# Altium PCB thrusters.PcbDoc (part 1 of 2)
Units mm, origin at the board's own origin, x right, y up, seen from the top; angles counter-clockwise.
Board outline 109.99 x 135.99 mm, 2 copper layers (Top Layer, Bottom Layer), stack 1.57 mm thick; 102 components, 73 nets, 446 pads, 127 vias.
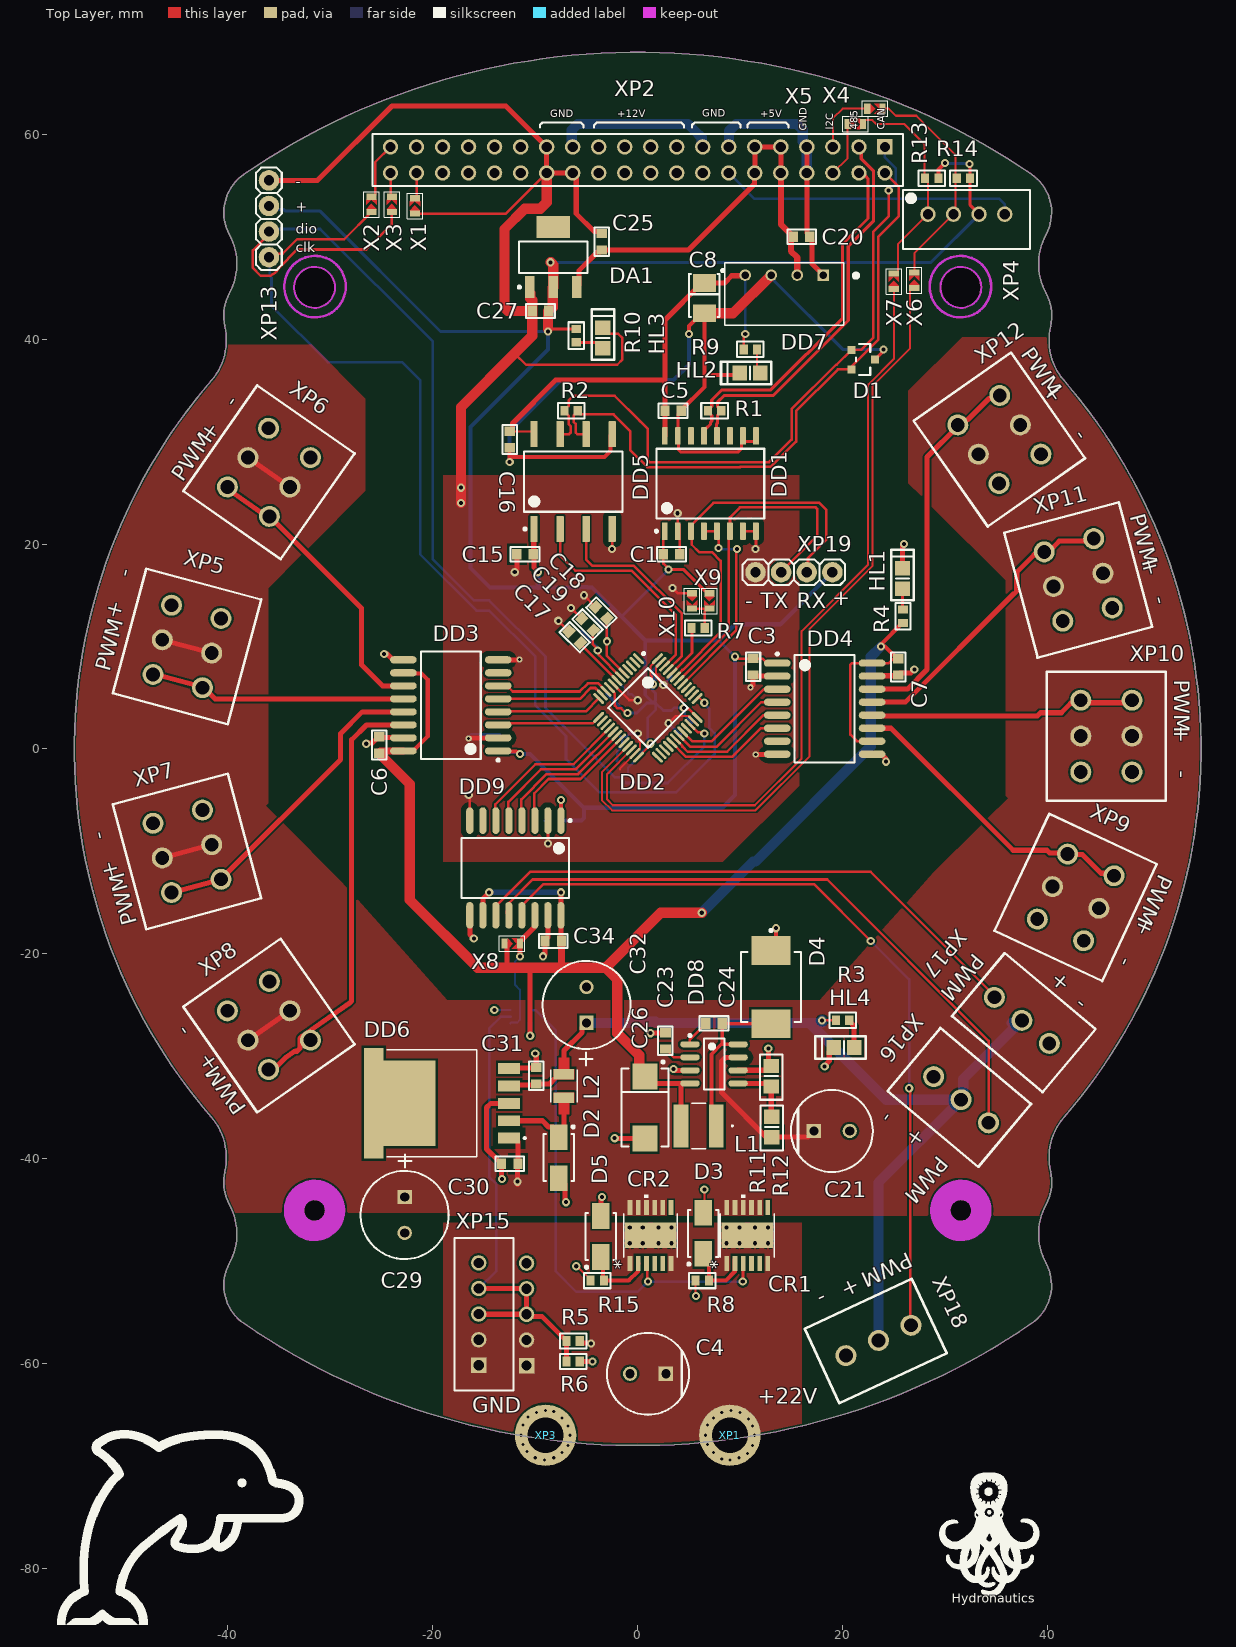
[diagram p0: Top Layer view]
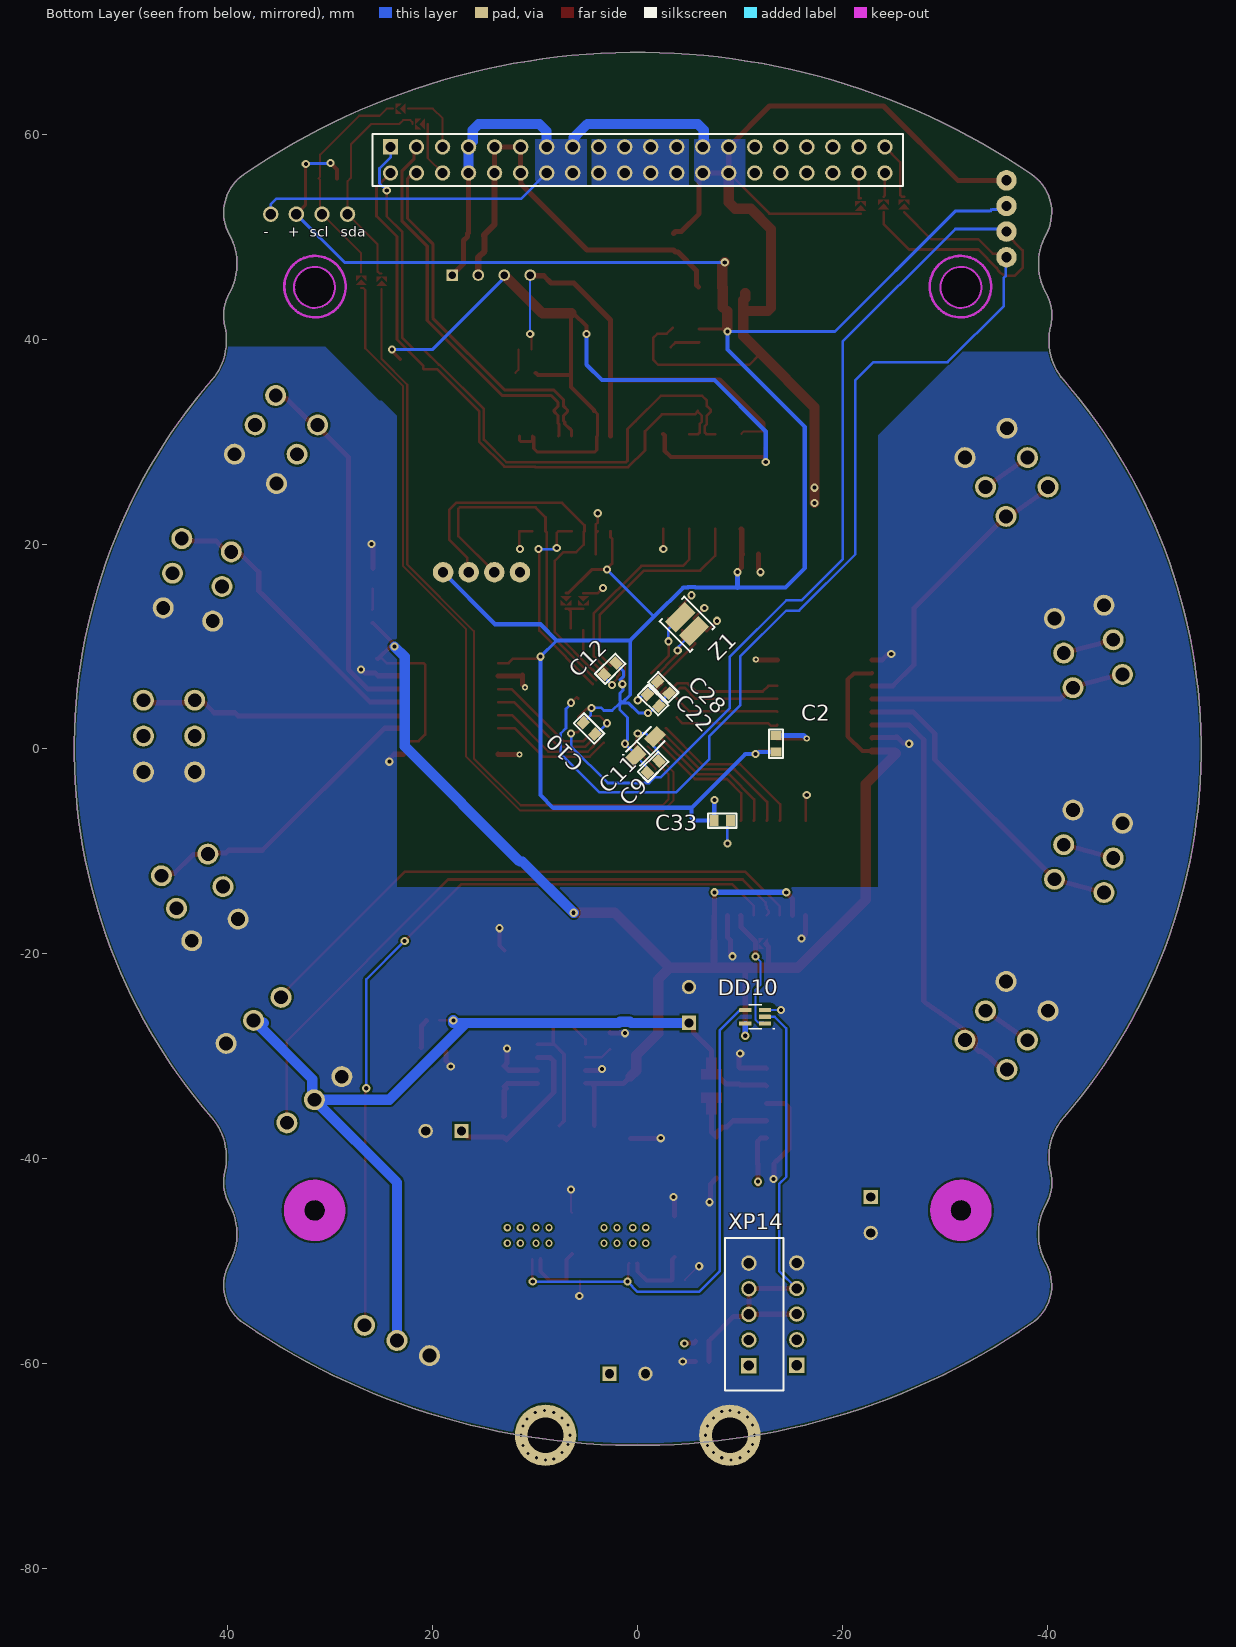
[diagram p1: Bottom Layer view, seen from below]

## Layer stack, top to bottom
Top Solder: solder mask 0.0102, Solder Resist, Dk 3.5
Top Layer: signal copper 0.035
Dielectric 1: dielectric 1.5, FR-4, Dk 4.8
Bottom Layer: signal copper 0.035
Bottom Solder: solder mask 0.0102, Solder Resist, Dk 3.5

## Board outline
-39.876,-44.466 cw(c-35.933,-42.297) -40.313,-41.264 ccw(c-46.153,-39.886) -41.613,-35.963 cw(c0,0) -41.613,35.963 ccw(c-46.153,39.886) -40.313,41.264 cw(c-35.933,42.297) -39.876,44.466 ccw(c-45.134,47.357) -39.862,50.223 cw(c-35.909,52.372) -38.453,56.083 cw(c0,0) 38.453,56.083 cw(c35.909,52.372) 39.862,50.223 ccw(c45.134,47.357) 39.876,44.466 cw(c35.933,42.297) 40.313,41.264 ccw(c46.153,39.886) 41.613,35.963 cw(c0,0) 41.613,-35.963 ccw(c46.153,-39.886) 40.313,-41.264 cw(c35.933,-42.297) 39.876,-44.466 ccw(c45.134,-47.357) 39.862,-50.223 cw(c35.909,-52.372) 38.453,-56.083 cw(c0,0) -38.453,-56.083 cw(c-35.909,-52.372) -39.862,-50.223 ccw(c-45.134,-47.357)

## Design rules (kind name [scope] priority, off if disabled: settings)
Clearance [All] p1: gap=0.2 ignorepadtopadclearanceinfootprint=TRUE
ComponentClearance [All] p1: gap=0 collisioncheckmode=3 verticalgap=0 showdistances=FALSE
DiffPairsRouting [All] p1: maxlimit=0.3 minlimit=0.2 mostfreqgap=0.25 toplayer_minwidth=0.2 toplayer_maxwidth=1 toplayer_prefwidth=0.25 bottomlayer_minwidth=0.2 bottomlayer_maxwidth=1 bottomlayer_prefwidth=0.25 maxuncoupledlength=12.7
HoleSize [All] p1: absolutevalues=TRUE maxlimit=7 minlimit=0.2 maxpercent=80.000 minpercent=20.000
MatchedLengths [InDifferentialPair('RSMOT')] p1: tolerance=25.4 checknetsindiffpair=TRUE checkdiffpairvsdiffpair=FALSE checkxsignals=FALSE checkothers=FALSE
MinimumSolderMaskSliver [All] p1: minsoldermaskwidth=0.2
PlaneConnect [All] p1: planeconnectstyle=Direct reliefexpansion=0.508 reliefentries=4 reliefconductorwidth=0.254 reliefairgap=0.254
PolygonConnect [HasFootprint('PowerSSO-12_STM')] p1: thpad.connectstyle=Relief thpad.reliefconductorwidth=0.254 thpad.reliefentries=4 thpad.polygonreliefangle="90 Angle" thpad.airgapwidth=0.254 smdpad.connectstyle=Direct smdpad.reliefconductorwidth=0.254 smdpad.reliefentries=4 smdpad.polygonreliefangle="90 Angle" smdpad.airgapwidth=0.254 via.connectstyle=Relief via.reliefconductorwidth=0.254 via.reliefentries=4 via.polygonreliefangle="90 Angle" via.airgapwidth=0.254
PolygonConnect PolygonConnectVIA [IsVia] p2: connectstyle=Direct reliefconductorwidth=0.254 reliefentries=4 polygonreliefangle="90 Angle" airgapwidth=0.254
PolygonConnect PolygonConnectPAD [All] p3: thpad.connectstyle=Direct thpad.reliefconductorwidth=0.3 thpad.reliefentries=4 thpad.polygonreliefangle="90 Angle" thpad.airgapwidth=0.5 smdpad.connectstyle=NoConnect smdpad.reliefconductorwidth=0.3 smdpad.reliefentries=4 smdpad.polygonreliefangle="90 Angle" smdpad.airgapwidth=0.5 via.connectstyle=Relief via.reliefconductorwidth=0.3 via.reliefentries=4 via.polygonreliefangle="90 Angle" via.airgapwidth=0.5
RoutingVias [All] p1: holewidth=0.3 width=0.7 viastyle="Through Hole" minholewidth=0.3 minwidth=0.5 maxholewidth=3 maxwidth=4
SilkToSilkClearance [All] p1: silktosilkclearance=0.15
SilkToSolderMaskClearance [IsPad] p1: minsilkscreentomaskgap=-1 clearancetoexposedcopper=TRUE
SolderMaskExpansion [All] p1: expansion=0.1 istentingtop=FALSE
Width power_1 [InNet('No Net')] p1: maxlimit=10 minlimit=0.5 preferedwidth=0.5 minimp=50.000000 maximp=50.000000 favimp=50.000000
Width signal [All] p2: maxlimit=10 minlimit=0.2 preferedwidth=0.25 minimp=50.000000 maximp=50.000000 favimp=50.000000
Width power_signal [InNet('No Net')] p3: maxlimit=10 minlimit=0.3 preferedwidth=0.6 minimp=50.000000 maximp=50.000000 favimp=50.000000
23 further rules are at their usual default settings.

## Classes and differential pairs
component class power: C8 C20 C21 C23 C24 C25 C26 C27 C29 C30 C31 C32 D2 D4 DA1 DD6 DD7 DD8 HL1 HL2 HL3 HL4 L1 L2 R3 R4 R9 R10 R11 R12
component class conn: C4 R13 R14 X1 X2 X3 X4 X5 XP1 XP2 XP3 XP4
component class mcu: 45 C1 C2 C3 C5 C6 C7 C9 C10 C11 C12 C15 C16 C17 C18 C19 C28 C33 C34 CR1 CR2 D1 D3 D5 DD1 DD2 DD3 DD4 DD5 DD9 DD10 R1 R2 R5 R6 R7 R8 R15 X6 X7 X8 X9 X10 XP5 XP6 XP7 XP8 XP9 XP10 XP11 XP12 XP13 XP14 XP15 XP16 XP17 XP18 XP19 Z1
differential pair CAN: +CAN_P -CAN_N
differential pair RSMOT: +RSMOT_P -RSMOT_N

## Components (designator, comment, footprint, x,y, rotation, side; value= is the part's Value field where it differs from the comment)
C1 "Capacitor" 0603C 3.3,19 r0 top value=0,1мкФ
C2 "Capacitor" 0603C -13.5,0.5 r90 bottom value=0,1мкФ
C3 "Capacitor" 0603C 11.263,8.012 r270 top value=0,1мкФ
C4 "100uF" CAPPR65-350-1150X800X1250 1,-61 r180 top value=100мкФ
C5 "Capacitor" 0603C 3.45,33 r0 top value=0,1мкФ
C6 "Capacitor" 0603C -25.225,0.375 r90 top value=0,1мкФ
C7 "Capacitor" 0603C 25.425,8 r270 top value=0,1мкФ
C8 "47мкФ" "TC_B (3528)" 6.5,44 r270 top value={Номинал}
C9 "Capacitor" 0603C -1.5,-1.75 r135 bottom value=0,1мкФ
C10 "Capacitor" 0603C 4.75,2 r225 bottom value=0,1мкФ
C11 "1uF" "TC_A (3216)" -0.75,0.25 r135 bottom value=4.7мкФ
C12 "Capacitor" 0603C 2.684,7.816 r315 bottom value=0,1мкФ
C15 "Capacitor" 0603C -11,19 r180 top value=0,1мкФ
C16 "Capacitor" 0603C -12.5,30.2 r270 top value=0,1мкФ
C17 "Capacitor" 0603C -6.15,10.9 r315 top value=0,1мкФ
C18 "Capacitor" 0603C -3.55,13.3 r315 top value=12пФ
C19 "Capacitor" 0603C -4.9,12.15 r315 top value=12пФ
C20 "Capacitor" 0603C 16,50 r0 top value=0,1мкФ
C21 "100uF" CAPPR65-350-1150X800X1250 18.95,-37.3 r0 top value=68мкФ
C22 "Capacitor" 0603C -1.5,4.75 r225 bottom value=1мкФ
C23 "Capacitor" 0603C 2.7,-28.5 r90 top value=0,1мкФ
C24 "Capacitor" 0603C 7.45,-26.8 r0 top value=0,1мкФ
C25 "Capacitor" 0603C -3.5,49.5 r90 top value=0,1мкФ
C26 "68мкФ" "TC_D (7343)" 0.7,-35 r270 top value={Номинал}
C27 "Capacitor" 0603C -9.5,42.75 r180 top value=10,0мкФ
C28 "Capacitor" 0603C -2.5,6 r225 bottom value=10нФ
C29 "1uF" THD12.5.25 -22.75,-45.5 r270 top value=100мкФ
C30 "Capacitor" 0603C -12.5,-40.5 r180 top value=0,1мкФ
C31 "Capacitor" 0603C -9.9,-31.9 r90 top value=0,1мкФ
C32 "1uF" THD12.5.25 -5,-25 r90 top value=1000мкФ
C33 "Capacitor" 0603C -8.25,-7 r180 bottom value=0,1мкФ
C34 "Capacitor" 0603C -8.25,-18.75 r180 top value=0,1мкФ
CR1 "VN5016AJ-E" PowerSSO-12_STM 10.7,-47.5 r90 top
CR2 "VN5016AJ-E" PowerSSO-12_STM 1.25,-47.5 r90 top
D1 "SM712-02HTG" FP-SM712-MFG 22,38 r0 top
D2 "B340A" DIOM4326X23M -7.7,-39.9 r270 top
D3 "Diod_1" DIOM4326X23M 6.4,-47.3 r90 top value={Номинал}
D4 "MBRS540T3G" ONSC-SMC-2-403-03_V 13,-23.25 r270 top
D5 "Diod_1" DIOM4326X23M -3.6,-47.6 r90 top value={Номинал}
DA1 "LD1117S33" SOT223 -8.25,48 r90 top value=LD1117S33CTR
DD1 "ISO3082DW" DW0016B_L 7.1,25.9 r90 top
DD2 "STM32F103" LQFP48 1,4 r315 top
DD3 "ADUM1400ARWZ" ADI-RW-16_M -18.25,4.25 r180 top
DD4 "ADUM1400ARWZ" ADI-RW-16_M 18.25,3.925 r0 top
DD5 "ISO1050DUBR" DUB0008A_M -6.3,26.1 r90 top
DD6 "LM2596HVGR-12" VREG_LM2596S-3.3 -19.1,-34.6 r180 top
DD7 "SMU01M-05" "DC-DC 5-5" 14.3,43.7 r0 top
DD8 "MAX5035BASA" S8+5_L 7.45,-30.75 r0 top
DD9 "ADUM1400ARWZ" ADI-RW-16_M -11.945,-11.625 r270 top
DD10 "SN74AHC1G08DCKR" SOT65P210X110-5N -11.46,-26.15 r0 bottom
HL1 "=Value" 0805D 25.75,16.525 r90 top
HL2 "=Value" 0805D 11.05,36.6 r180 top
HL3 "=Value" 0805D -3.5,40 r90 top
HL4 "=Value" 0805D 20.25,-29.25 r180 top
Hydronautics "Comment" Ktulhu 34.25,-72.5 r0 top
L1 "Inductance" IND_VLS4012CX_4X4_TDK 5.95,-36.8 r180 top value=100µH
L2 "Inductance" IND_LQH32CN680K53L -7.2,-32.9 r90 top value=68uH
R1 "Resistor" 0603R 7.5,33 r0 top value=120Ом
R2 "Resistor" 0603R -6.5,33 r0 top value=120Ом
R3 "Resistor" 0603R 20,-26.5 r0 top value=4,7кОм
R4 "Resistor" 0603R 25.9,12.95 r90 top value=4,7кОм
R5 "Resistor" 0603R -6.3,-57.8 r0 top value=10кОм
R6 "Resistor" 0603R -6.3,-59.8 r180 top value=20кОм
R7 "Resistor" 0603R 5.9,11.8 r0 top value=100к
R8 "Resistor" 0603R 6.3,-51.9 r0 top value=1кОм
R9 "Resistor" 0603R 11,39 r0 top value=4,7кОм
R10 "Resistor" 0603R -6,40.35 r270 top value=4,7кОм
R11 "Resistor" 0805R 13.2,-36.8 r270 top value=10к
R12 "Resistor" 0805R 13.13,-31.85 r270 top value=4КОм
R13 "Resistor" 0603R 31.8,55.7 r180 top value=4,7кОм
R14 "Resistor" 0603R 28.7,55.7 r180 top value=4,7кОм
R15 "Resistor" 0603R -3.95,-51.9 r0 top value=1кОм
X1 "Jumper" "Fused Jumper" -21.75,52.35 r90 top
X2 "Jumper" "Fused Jumper" -26,52.5 r90 top
X3 "Jumper" "Fused Jumper" -24,52.5 r90 top
X4 "Jumper" "Fused Jumper" 22.5,62.5 r0 top
X5 "Jumper" "Fused Jumper" 20.6,61 r0 top
X6 "Jumper" "Fused Jumper" 27,45.1 r90 top
X7 "Jumper" "Fused Jumper" 25,45 r90 top
X8 "Jumper" "Fused Jumper" -12.9,-19 r0 top
X9 "Jumper" "Fused Jumper" 7,15.1 r270 top
X10 "Jumper" "Fused Jumper" 5.3,15.1 r270 top
XP1 "номинал или название" M3 9,-67 r0 top
XP2 "PC104-20*2" "PC - 104 20X2" 0,57.495 r180 top locked
XP3 "номинал или название" M3 -9,-67 r180 top
XP4 "CWF-4" CWF-4 28.325,52.2 r0 top
XP5 "SPTAF 1/ 3-3,5-IL" STAFFFFFF -44,10 r255 top
XP6 "SPTAF 1/ 3-3,5-IL" STAFFFFFF -36,27 r235 top
XP7 "SPTAF 1/ 3-3,5-IL" STAFFFFFF -44,-10 r285 top
XP8 "SPTAF 1/ 3-3,5-IL" STAFFFFFF -36,-27 r305 top
XP9 "SPTAF 1/ 3-3,5-IL" STAFFFFFF 42.75,-14.5 r65 top
XP10 "SPTAF 1/ 3-3,5-IL" STAFFFFFF 45.75,1.25 r90 top
XP11 "SPTAF 1/ 3-3,5-IL" STAFFFFFF 43,16.5 r105 top
XP12 "SPTAF 1/ 3-3,5-IL" STAFFFFFF 35.3,30.2 r125 top
XP13 "PLS4" PLS4 -36,55.58 r0 top
XP14 "CWF-5" CWF-5 -10.85,-60.2 r90 bottom
XP15 "CWF-5" CWF-5 -15.525,-60.175 r90 top
XP16 "Term" term3pos 31.569,-34.25 r320 top value="Terminal Block"
XP17 "Term" term3pos 37.5,-26.5 r140 top value="Terminal Block"
XP18 "Term" term3pos 23.5,-57.75 r25 top value="Terminal Block"
XP19 "PLS4" PLS4 19.08,17.25 r270 top
Z1 "XTAL" NX3225GD -4.828,12.172 r45 bottom value=8МГц

## Footprints (in the part's own frame and the unit in brackets; to place one, negate y for a bottom-side part, rotate by r counter-clockwise, add the part's x,y. Pads: shape width x height; smd on the part's side, far side on the other; paste and mask are expansions set on the pad)
0603C [mm] "Chip Resistor, 2-Leads, Body 1,40x0,80mm, IPC Medium Density"
  rect 0.9x1.05 smd: 1(-0.8,0) 2(0.8,0)
  silkscreen extent -1.4,-0.7 1.4,0.7, body extent -0.85,-0.45 0.85,0.45, height 0.9
0603R [mm] "Chip Resistor, 2-Leads, Body 1.60x0.85mm, IPC Medium Density"
  rect 0.8x0.95 smd: 1(-0.65,0) 2(0.65,0)
  silkscreen extent -1.3,-0.75 1.3,0.75, body extent -0.87,-0.47 0.88,0.48, height 0.9
0805D [mm]
  rect 1.4x1.5 smd: 1(-0.9,-0.1) 2(1.1,-0.1)
  silkscreen extent -2,-1.2 2.93,1, body extent -0.97,-0.8 1.17,0.6, height 0.7
0805R [mm]
  rect 1.4x1.5 smd: 1(-0.9,-0.1) 2(1.1,-0.1)
  silkscreen extent -2,-1.2 2.4,1, body extent -0.9,-0.7 1.1,0.5, height 0.5
ADI-RW-16_M [mm] "SOIC, 16-Leads, Body 10.3x7.5mm, Pitch 1.27mm, IPC Low Density"
  oval 2.6x0.7 smd: 1(-4.625,4.445) 2(-4.625,3.175) 3(-4.625,1.905) 4(-4.625,0.635) 5(-4.625,-0.635) 6(-4.625,-1.905) 7(-4.625,-3.175) 8(-4.625,-4.445) 9(4.625,-4.445) 10(4.625,-3.175) 11(4.625,-1.905) 12(4.625,-0.635) 13(4.625,0.635) 14(4.625,1.905) 15(4.625,3.175) 16(4.625,4.445)
  silkscreen extent -4.75,-5.25 2.93,5.47, body extent -3.8,-5.25 3.8,5.25, height 2.65
CAPPR65-350-1150X800X1250 [mm] "THD, 2-Leads, Dia 8mm, Body 11.5mm"
  rect 1.4x1.4 hole 0.9: 1(-1.75,0)
  round 1.4 hole 0.9: 2(1.75,0)
  silkscreen extent -4,-4 4,4, body extent -4,-4 4,4, height 12.5
CWF-4 [mm]
  round 1.5 hole 1: 1(0,0) 2(2.5,0) 3(5,0) 4(7.5,0)
  silkscreen extent -2.45,-3.4 9.95,2.35, body extent -2.4,-3.47 10,2.28, height 7
CWF-5 [mm]
  rect 1.5x1.5 hole 1: 1(0,0)
  round 1.5 hole 1: 2(2.5,0) 3(5,0) 4(7.5,0) 5(10,0)
  silkscreen extent -2.45,-3.4 12.45,2.35, body extent -2.5,-3.55 12.5,2.2, height 7
"DC-DC 5-5" [mm]
  rect 1.13x1.13 hole 0.73: 1(3.81,2.55)
  round 1.13 hole 0.73: 2(1.27,2.55) 3(-1.27,2.55) 4(-3.81,2.55)
  silkscreen extent -5.8,-2.35 7.2,3.75, body extent -5.85,-2.35 5.75,3.75, height 10.14
DIOM4326X23M [mm] "Molded Diode, 2-Leads, Body 4,30x2,61mm, IPC Low Density"
  rect 2.5x1.7 smd: 1(-2,0) 2(2,0)
  silkscreen extent -3.12,-1.5 2.3,1.53, body extent -2.3,-1.46 2.3,1.46, height 2.3
DUB0008A_M [mm] "SOP, 8-Leads, Body 6.7x9.6mm, Pitch 2.54mm, IPC Low Density"
  rrect14% 2.55x0.7 smd: 1(-4.625,3.81) 2(-4.625,1.27) 3(-4.625,-1.27) 4(-4.625,-3.81) 5(4.625,-3.81) 6(4.625,-1.27) 7(4.625,1.27) 8(4.625,3.81)
  silkscreen extent -4.75,-4.8 2.95,4.83, body extent -5.24,-4.75 5.24,4.75, height 4.85
DW0016B_L [mm] "SOIC, 16-Leads, Body 10.5x7.6mm, Pitch 1.27mm, IPC High Density"
  rrect18% 1.7x0.55 smd: 1(-4.65,4.445) 2(-4.65,3.175) 3(-4.65,1.905) 4(-4.65,0.635) 5(-4.65,-0.635) 6(-4.65,-1.905) 7(-4.65,-3.175) 8(-4.65,-4.445) 9(4.65,-4.445) 10(4.65,-3.175) 11(4.65,-1.905) 12(4.65,-0.635) 13(4.65,0.635) 14(4.65,1.905) 15(4.65,3.175) 16(4.65,4.445)
  silkscreen extent -4.77,-5.25 3.4,5.39, body extent -5.17,-5.15 5.17,5.15, height 2.59
FP-SM712-MFG [mm]
  rect 0.78x0.78 smd paste+0 mask+0: 1(-1.145,0.95) 2(-1.145,-0.95) 3(1.145,0)
  silkscreen extent -0.7,-1.52 0.7,1.52, body extent -1.64,-1.62 1.64,1.62, height 0.25
"Fused Jumper" [mm] "Solder fused jumper"
  rect 0.6x1 smd: 1(-0.1,0) 2(1.4,0)
  Top Layer region: 0.2,0.5 0.7,0 0.2,-0.5
  Top Layer region: 1.1,-0.5 0.6,-0.5 1.1,0
  Top Layer region: 1.1,0 0.6,0.5 1.1,0.5
  silkscreen extent -0.61,-0.75 1.89,0.75
IND_LQH32CN680K53L [mm]
  rect 1x2 smd paste-2 mask+0: 1(-1.15,0) 2(1.15,0)
  Top Layer region: -0.65,-1 -1.65,-1 -1.65,-0.5 -2.75,-0.5 -2.75,0.5 -1.65,0.5 -1.65,1 -0.65,1
  Top Layer region: 1.65,0.5 2.75,0.5 2.75,-0.5 1.65,-0.5 1.65,-1 0.65,-1 0.65,1 1.65,1
  silkscreen extent -1.6,-1.31 1.6,1.31
IND_VLS4012CX_4X4_TDK [mil]
  rect 56.78x165 smd paste+0 mask+0: 1(-67.89,0) 2(67.89,0)
  silkscreen extent -132,-88 27,88, body extent -83,-83 83,83, height 47
Ktulhu [mm]
  silkscreen extent -4.8,-10.16 4.93,1.83
LQFP48 [mm] "TSQFP, 48-Leads, Body 7,00x7,00mm, Pitch 0,50mm, IPC Medium Density"
  oval 1.4x0.29 smd: 1(-4.05,2.75) 2(-4.05,2.25) 3(-4.05,1.75) 4(-4.05,1.25) 5(-4.05,0.75) 6(-4.05,0.25) 7(-4.05,-0.25) 8(-4.05,-0.75) 9(-4.05,-1.25) 10(-4.05,-1.75) 11(-4.05,-2.25) 12(-4.05,-2.75)
  oval 0.29x1.4 smd paste+0 mask+0.09: 13(-2.75,-4.05) 14(-2.25,-4.05) 15(-1.75,-4.05) 16(-1.25,-4.05) 17(-0.75,-4.05) 18(-0.25,-4.05) 19(0.25,-4.05) 20(0.75,-4.05) 21(1.25,-4.05) 22(1.75,-4.05) 23(2.25,-4.05) 24(2.75,-4.05) 37(2.75,4.05) 38(2.25,4.05) 39(1.75,4.05) 40(1.25,4.05) 41(0.75,4.05) 42(0.25,4.05) 43(-0.25,4.05) 44(-0.75,4.05) 45(-1.25,4.05) 46(-1.75,4.05) 47(-2.25,4.05) 48(-2.75,4.05)
  oval 1.4x0.29 smd paste+0 mask+0.09: 25(4.05,-2.75) 26(4.05,-2.25) 27(4.05,-1.75) 28(4.05,-1.25) 29(4.05,-0.75) 30(4.05,-0.25) 31(4.05,0.25) 32(4.05,0.75) 33(4.05,1.25) 34(4.05,1.75) 35(4.05,2.25) 36(4.05,2.75)
  silkscreen extent -4.17,-2.75 2.75,3.57, body extent -4.5,-4.47 4.5,4.52, height 1.48
M3 [mm]
  round 6 hole 3.5: 1(0,0)
  body extent -2.7,-3.18 2.8,3.18, height 2.5
NX3225GD [mm]
  rect 1.5x2.7 smd: 1(-0.95,0) 2(0.95,0)
  silkscreen extent -2.1,-1.7 2.1,1.7
ONSC-SMC-2-403-03_V [mil] "Molded, 2-Leads, Body 6.86x5.84mm"
  rect 110x150 smd: 1(-140.49,0) 2(140.49,0)
  silkscreen extent -222,-115 135,115, body extent -135,-115 135,115, height 99
"PC - 104 20X2" [mm] "Connector; Header; 20x2 Position"
  rect 1.5x1.5 hole 1: 1(-24.13,-1.27)
  round 1.5 hole 1: 2(-24.13,1.27) 3(-21.59,-1.27) 4(-21.59,1.27) 5(-19.05,-1.27) 6(-19.05,1.27) 7(-16.51,-1.27) 8(-16.51,1.27) 9(-13.97,-1.27) 10(-13.97,1.27) 11(-11.43,-1.27) 12(-11.43,1.27) 13(-8.89,-1.27) 14(-8.89,1.27) 15(-6.35,-1.27) 16(-6.35,1.27) 17(-3.81,-1.27) 18(-3.81,1.27) 19(-1.27,-1.27) 20(-1.27,1.27) 21(1.27,-1.27) 22(1.27,1.27) 23(3.81,-1.27) 24(3.81,1.27) 25(6.35,-1.27) 26(6.35,1.27) 27(8.89,-1.27) 28(8.89,1.27) 29(11.43,-1.27) 30(11.43,1.27) 31(13.97,-1.27) 32(13.97,1.27) 33(16.51,-1.27) 34(16.51,1.27) 35(19.05,-1.27) 36(19.05,1.27) 37(21.59,-1.27) 38(21.59,1.27) 39(24.13,-1.27) 40(24.13,1.27)
  silkscreen extent -25.91,-2.54 25.91,2.54, body extent -25.88,-2.47 25.92,2.43, height 12.5
PLS4 [mm]
  round 2 hole 1: 1(0,-0.08) 2(0,-2.58) 3(0,-5.08) 4(0,-7.58)
  silkscreen extent -1.25,-8.83 1.25,1.17, body extent -1.27,-8.93 1.27,1.19, height 8.44
PowerSSO-12_STM [mm]
  rect 1.455x0.456 smd paste+0 mask+0: 1(-2.721,2) 2(-2.721,1.2) 3(-2.721,0.4) 4(-2.721,-0.4) 5(-2.721,-1.2) 6(-2.721,-2) 7(2.721,-2) 8(2.721,-1.2) 9(2.721,-0.4) 10(2.721,0.4) 11(2.721,1.2) 12(2.721,2)
  rect 2.489x5 smd paste-2.083 mask+0: EPAD(0,0)
  silkscreen extent -2.12,-2.63 3.96,2.63, body extent -3.1,-2.5 3.1,2.5, height 1.63
S8+5_L [mm] "SOIC, 8-Leads, Body 4.9x3.9mm, Pitch 1.27mm, IPC High Density"
  oval 1.9x0.6 smd: 1(-2.35,1.905) 2(-2.35,0.635) 3(-2.35,-0.635) 4(-2.35,-1.905) 5(2.35,-1.905) 6(2.35,-0.635) 7(2.35,0.635) 8(2.35,1.905)
  silkscreen extent -2.47,-2.5 1,2.88, body extent -2,-2.5 2,2.5, height 1.75
SOT65P210X110-5N [mm]
  rrect25% 1.19x0.4 smd: 1(-0.96,0.65) 2(-0.96,0) 3(-0.96,-0.65) 4(0.96,-0.65) 5(0.96,0.65)
  silkscreen extent -1.87,-1.17 0.63,1.22, body extent -1.18,-1 0.92,1, height 1.1
SOT223 [mm] "SOT223, ld1117"
  rect 2.15x0.9 smd: 1(-2.925,2.3) 2(-2.925,0) 3(-2.925,-2.3)
  rect 2.15x3.25 smd: 4(2.925,0)
  silkscreen extent -3.05,-3.35 1.55,3.42, body extent -3.56,-3.3 3.51,3.2, height 1.6
STAFFFFFF [mm]
  round 2.05 hole 1.35: 1(-3.5,-2.5) 1(-3.5,2.5) 1(-3.5,2.5) 2(0,2.5) 2(0,-2.5) 3(3.5,-2.5) 3(3.5,2.5)
  silkscreen extent -6.3,-5.8 6.3,5.8, body extent -6,-5.5 6,5.5, height 8
"TC_A (3216)" [mm] "Tantalum capacitor, type A,  1 pin - plus"
  rect 1.75x1.25 smd: 1(-1.325,0) 2(1.325,0)
  silkscreen extent -2.15,-0.97 1.7,1, body extent -1.73,-0.8 1.73,0.8, height 1.64
"TC_B (3528)" [mm] "Tantalum capacitor, type B, 1 pin - plus"
  rect 1.75x2.25 smd: 1(-1.475,0) 2(1.475,0)
  silkscreen extent -2.82,-1.5 1.85,1.92, body extent -1.85,-1.5 1.85,1.5, height 2.1
"TC_D (7343)" [mm] "Tantalum capacitor, type D, 1 pin - plus"
  rect 2.55x2.45 smd: 1(-3.025,0) 2(3.025,0)
  silkscreen extent -4.57,-2.3 3.8,2.3, body extent -3.75,-2.25 3.75,2.25, height 3.1
term3pos [mm]
  round 2.05 hole 1.35: 1(-3.5,0) 2(0,0) 3(3.5,0)
  silkscreen extent -6.05,-3.95 5.5,4.08, body extent -5.68,-3.7 5.28,3.7, height 8.5
THD12.5.25 [mm] "THD, 2-Leads, Dia 12.5mm, Body 25mm"
  rect 1.4x1.4 hole 0.9: 1(-1.75,0)
  round 1.4 hole 0.9: 2(1.75,0)
  silkscreen extent -5.89,-4.3 4.3,4.3
VREG_LM2596S-3.3 [mm]
  rect 2.16x1.07 smd: 1(-6.545,3.4) 2(-6.545,1.7) 3(-6.545,0) 4(-6.545,-1.7) 5(-6.545,-3.4)
  rect 5.08x8.33 smd paste-5: 6(3.175,0)
  rect 1.91x10.8 smd paste-6: 7(6.67,0)
  silkscreen extent -8.18,-5.21 5.4,5.21, body extent -7.18,-5.08 7.18,5.08, height 4.65

## Part data
C4 C21: library part Capacitor_pol_100uF
  C4: Shop=https://www.chipdip.ru/product0/9000565887
  C21: Parameter 1=50В, Shop=https://www.chipdip.ru/product0/9000565885
C8 C11 C26 C29 C32: library part Capacitor_pol
  C8 C26: Shop=https://www.chipdip.ru/product/tecap-68-mkf-10-v-tip-d-10-2
  C29: Rate=35В, Shop=https://www.chipdip.ru/product0/9000261772
  C32: Rate=16V, Shop=https://www.chipdip.ru/product0/8007171953
CR1 CR2: "No Description Available", Mfr_Name=STMicroelectronics, Copyright="Copyright (C) 2022 Ultra Librarian. All rights reserved.", Manufacturer_Part_Number=VN5016AJ-E, RefDes=RefDes, Type=DEV
D1: "TVS DIODE 12V 31V SOT23-3", Breakdown Voltage=13.3V, Capacitance=75pF, Case/Package=SOT-23-3, Clamping Voltage=31V, Leakage Current=20uA, Max Operating Temperature=125°C, Max Power Dissipation=600W, Max Surge Current=19A, Min Operating Temperature=-40°C, Package Quantity=3000, Power Line Protection=No, Reverse Standoff Voltage=12V, Composition=Zener, Depth=1.4mm, Direction=Bidirectional, Element Configuration=Dual, Lead Free="Lead Free", Length=3.04mm, Min Breakdown Voltage=13.3V, Mount="Surface Mount", Number of Bidirectional Channels=2, Number of Channels=2, Number of Pins=3, Packaging="Tape and Reel", Peak Pulse Current=19A, Peak Pulse Power=600W, Polarity=Bidirectional, Radiation Hardening=No, Termination=SMD/SMT, Working Voltage=12V
D2: library part CMP-1055-00390-1, "Schottky Power Rectifier, 2-Pin SMC, Pb-Free, Tape and Reel", Manufacturer="On Semiconductor", PartNumber=MBRS540T3G, ComponentLink1Description="Manufacturer URL", ComponentLink1URL=http://www.onsemi.com/, ComponentLink2Description=Datasheet, ComponentLink2URL=http://www.onsemi.cn/pub_link/Collateral/MBRS540T3-D.PDF, ComponentLink3Description="Package Specification", ComponentLink3URL=http://www.onsemi.com/pub_link/Collateral/403-03.PDF, DatasheetVersion="Rev. 8", IFSM Max (A)=190, Mounting Technology="Surface Mount", PackageDescription="2-Pin Small Molded Package, J-Bend Lead, Body 5.845 x 6.855 mm", PackageReference=SMC-2-403-03, PackageVersion="Rev. E, 08/2005", Packing="Tape and Reel", RoHS=TRUE, Shop=https://www.chipdip.ru/product/b340a
D4: library part CMP-1055-00390-1, "Schottky Power Rectifier, 2-Pin SMC, Pb-Free, Tape and Reel", Manufacturer="On Semiconductor", ComponentLink1Description="Manufacturer URL", ComponentLink1URL=http://www.onsemi.com/, ComponentLink2Description=Datasheet, ComponentLink2URL=http://www.onsemi.cn/pub_link/Collateral/MBRS540T3-D.PDF, ComponentLink3Description="Package Specification", ComponentLink3URL=http://www.onsemi.com/pub_link/Collateral/403-03.PDF, Configuration=Single, DatasheetVersion="Rev. 8", IFSM Max (A)=190, Mounting Technology="Surface Mount", PackageDescription="2-Pin Small Molded Package, J-Bend Lead, Body 5.845 x 6.855 mm", PackageReference=SMC-2-403-03, PackageVersion="Rev. E, 08/2005", Packing="Tape and Reel", PartNumber=MBRS540T3G, RoHS=TRUE
DA1: Case=SOT223, Manufacturer="ST Microelectronics", Datasheet=https://lib.chipdip.ru/168/DOC001168686.pdf, Notice="Стабилизатор напряжения 3,3В", Rate=0...15В, Shop=https://www.chipdip.ru/product/ld1117v33
DD1: library part ISO3082, "Isolated RS-485 Transceiver, 0.2 Mbps, 5 V, Half Duplex, -40 to 85 degC, 16-pin SOIC (DW), Green (RoHS & no Sb/Br)", Drivers Per Package=1, Manufacturer="Texas Instruments", Rating=Catalog, Supply Voltage(s)(V)=5, # of TX/RX="1 TX / 1 RX", Code_JEDEC=MS-013-AA, Common Mode Range="-7 to 12", ComponentLink1Description=Datasheet, ComponentLink1URL=http://www.ti.com/general/docs/lit/getliterature.tsp?genericPartNumber=ISO3082&fileType=pdf, ComponentLink2Description="Package Specification", ComponentLink2URL=http://www.ti.com/litv/pdf/msoi003g, DatasheetVersion=SLOS581E, Duplex=Half, Eco-Plan="Green (RoHS & no Sb/Br)", ESD(kV)=16, Fail Safe="Idle, Open, Short", Fault Protection(V)="-9 to 14", ICC(Max)(mA)=15, Isolated=Yes, Mounting Technology="Surface Mount", Number of Nodes=256, PackageDescription="16-Pin Small Outline Integrated Circuit, 10.3 x 7.5 mm, Pitch 1.27 mm Pitch", PackageReference=DW0016B, PackageVersion="revG, Jan-2011", PartNumber=ISO3082DW, Receivers Per Package=1, Signaling Rate(Mbps)=0.2, SubFamily=RS-485
DD2: library part STM32F103_48pin, Case=корпус, Manufacturer="ST Microelectronics", Value1=MCU, Datasheet=http://www.st.com/content/ccc/resource/technical/document/datasheet/33/d4/6f/1d/df/0b/4c/6d/CD00161566.pdf/files/CD00161566.pdf/jcr:content/translations/en.CD00161566.pdf, Notice="48 пиновая версия STM32F103", Rate=-0,3...4,0В, Shop="магазин с самой дешевой ценой"
DD3 DD4 DD9: library part ADUM1400ARWZ-RL, "Четырехканальный цифровой изолятор", Shop=https://www.chipdip.ru/product/adum1400arwz
DD5: "Isolated CAN Transceiver, -55 to 105 degC, 8-pin SOP (DUB), Green (RoHS & no Sb/Br)", Drivers Per Package=1, Manufacturer="Texas Instruments", Rating=Catalog, ComponentLink1Description=Datasheet, ComponentLink1URL=http://www.ti.com/general/docs/lit/getliterature.tsp?genericPartNumber=ISO1050&fileType=pdf, ComponentLink2Description="Package Specification", ComponentLink2URL=http://www.ti.com/litv/pdf/mpds247b, DatasheetVersion=SLLS983E, Eco-Plan="Green (RoHS & no Sb/Br)", Isolated=Yes, Mounting Technology="Surface Mount", PackageDescription="8-Pin Small Outline Package 2.54 mm Pitch", PackageReference=DUB0008A, PackageVersion="revC, May-2006", PartNumber=ISO1050DUBR, SubFamily=CAN
DD6: Package="TO-263-5 Texas Instruments", Availability="In Stock", MF="Texas Instruments", MP=LM2596S-3.3, Price=None, Purchase-URL=https://pricing.snapeda.com/search/part/LM2596S-3.3/?ref=eda, Shop=https://www.chipdip.ru/product/lm2596hvgr-12, SnapEDA_Link=https://www.snapeda.com/parts/LM2596S-3.3/Texas+Instruments/view-part/?ref=snap
DD7: library part SMU01L-05, "DC/DC преобразователь, 1Вт, вход 4.5-5.5В, выход 5В/200мА", Package=None, Availability=Unavailable, MP=TME_1212S, Price=None
DD8: library part MAX5035BASA+T, "1A, 76V, High-Efficiency MAXPower Step-Down DC-DC Converter, 5V output, 8-Pin SOIC, -40°C to +125°C, Pb-Free", Code_IPC=SOIC127P600-8, Code_JEDEC=MS-012-AA, ComponentLink1Description="Manufacturer URL", ComponentLink1URL=http://www.maxim-ic.com, ComponentLink2Description=Datasheet, ComponentLink2URL=http://datasheets.maxim-ic.com/en/ds/MAX5035.pdf, ComponentLink3Description="Package Specification", ComponentLink3URL=http://pdfserv.maxim-ic.com/package_dwgs/21-0041.PDF, DatasheetVersion="Rev 5, May-2011", PackageDescription="8-Pin Small-Outline IC, Narrow (0.15in), 1.27 mm Pitch, SOIC (N), Pb-Free", PackageReference=S8+5, PackageVersion="revC, 2010"
DD10: "Single 2-Input Positive-AND Gate 5-SC70 -55 to 125", Package=None, Availability=Unavailable, MP=SN74AHC1G08DCKR, Price=None, Shop=https://www.chipdip.ru/product/sn74lvc1g08dckr
HL1 HL2 HL3 HL4: library part LED, Case=-, Color={Цвет}, Datasheet=-, Manufacturer=-, Notice=-, Rate=-, Shop=-
X1 X2 X3 X4 X5 X6 X7 X8 X9 X10: Case=корпус, Manufacturer=производитель, Datasheet="ссылка на даташит", Notice=перемычка, Rate="уровень напряжений", Shop="магазин с самой дешевой ценой"
XP1 XP3: library part 1pin, Case=корпус, Manufacturer=производитель, Datasheet="ссылка на даташит", Notice=примечания, Rate="уровень напряжений", Shop="магазин с самой дешевой ценой"
XP2: Value1=CAN_H, Value2=CAN_L, Value3=RS485_A, Value4=RS485_B, Value5="I2C SCL", Value6="I2C SDA", Value7=GND_5, Value9=+5В, Value13=Общ., Value17=+12В, Value29={Value29}, Value30={Value30}, Value31={Value31}, Value32={Value32}, Value33={Value33}, Value34={Value34}, Value35={Value35}, Value36={Value36}, Value37={Value37}, Value38={Value38}, Value39={Value39}, Value40={Value40}, Notice=PC104-40, Value8=GND_5, Value10=+5В, Value11=+5В, Value12=+5В, Value14=Общ., Value15=Общ., Value16=Общ., Value18=+12В, Value19=+12В, Value20=+12В, Value21=+12В, Value22=+12В, Value23=+12В, Value24=+12В, Value25=Общ., Value26=Общ., Value27=Общ., Value28=Общ.
XP4: Case=корпус, Manufactore=Connfly, Value1=I2C_SCL, Value2=I2C_SDA, Value3=+3.3V, Value4=GND, Datasheet=https://lib.chipdip.ru/413/DOC001413777.pdf, Notice="Вилка-мама 4 пина, шаг 2.5мм", Rate="500В AC 1min", Shop=https://www.chipdip.ru/product/cwf-4
XP5 XP6 XP7 XP8 XP9 XP10 XP11 XP12 XP16 XP17 XP18: Manufacturer=Connfly, Value1=GND, Value2=POWER, Value3=PWM, Datasheet=https://lib.chipdip.ru/227/DOC000227157.pdf, Notice="Вилка штырьевая 3 пина, шаг 2,54мм", Rate="500В AC 1min", Shop=https://www.chipdip.ru/product/pls-3
XP13: Manufacturer=Connfly, Value1=3.3V, Value2=SWCLK, Value3=SWDIO, Value4=GND, Datasheet=https://lib.chipdip.ru/227/DOC000227157.pdf, Notice="Вилка штырьевая 4 пина, шаг 2,54мм", Rate="500В AC 1min", Shop=https://www.chipdip.ru/product/pls-4
XP14 XP15: Case=корпус, Value1=Красный, Value3=Белый, Value5=Синий, Datasheet=https://lib.chipdip.ru/413/DOC001413777.pdf, Manufactore=CWF-5, Notice="Вилка-мама 5 пинов, шаг 2.5мм", Rate="500В AC 1min", Shop=https://www.chipdip.ru/product/cwf-5, Value2=Красный, Value4=Белый
XP19: Manufacturer=Connfly, Value1=3,3V, Value2="UART RX", Value3="UART TX", Value4=GND, Datasheet=https://lib.chipdip.ru/227/DOC000227157.pdf, Notice="Вилка штырьевая 4 пина, шаг 2,54мм", Rate="500В AC 1min", Shop=https://www.chipdip.ru/product/pls-4
D3 D5: Datasheet=https://www.terraelectronica.ru/pdf/show?pdf_file=http%253A%252F%252Fwww.farnell.com%252Fdatasheets%252F1480487.pdf, Shop=https://www.terraelectronica.ru/product/1932087
L2: Shop=https://www.chipdip.ru/product0/8009279023
Z1: Shop=https://www.chipdip.ru/product0/8001877433

## Free pads (board coordinates)
  round 2 hole 4: п1(-31.547,-45.053) п1(-31.547,45.053) п1(31.547,-45.053) п1(31.547,45.053)

## Via types
v1: diameter 0.8, hole 0.4, Top Layer to Bottom Layer, 75 vias
v2: diameter 0.7, hole 0.3, Top Layer to Bottom Layer, 32 vias
v3: diameter 0.7, hole 0.4, Top Layer to Bottom Layer, 16 vias
v4: diameter 0.6, hole 0.3, Top Layer to Bottom Layer, 4 vias

## Nets (pads, with @x,y where several pads share a name; then routed paths per layer and width w, separated by ;. In a path a pad name is that pad's centre, name@x,y a point inside that pad or via, vN(x,y) a via of type N, cw(c..) or ccw(c..) an arc to the next point about the centre after c; other vN are vias at no path point)
+3.3V: C1.1 C2.1 C3.1 C9.1 C10.1 C11.1 C12.1 C15.1 C22.2 C27.1 C28.2 C33.1 DA1.2 DD1.1 DD2.9 DD2.24 DD2.36 DD2.48 DD3.1 DD4.1 DD5.1 DD9.1 R10.1 R13.1 R14.1 X9.1 XP4.3 XP13.2 XP19.1 | length 277
  Top Layer w0.2: DD2.24@0.081,-0.808 0.081,-0.784 1.25,0.385 v1(1.25,0.5) ; v1(1.502,6.318) 1.406,6.415 1.406,7.018 1.25,7.174 1.25,8.061 1.482,8.293 1.482,8.347 1.919,8.784 DD2.48@1.919,8.808
  Top Layer w0.25: DD2.9@-2.748,5.98 -2.348,5.58 -2.348,5.537 -2.239,5.429 -2.239,4.236 -1.961,3.959 -1.608,3.959 -1.149,3.5 v1(-1,3.5) ; DD1.1@2.655,21.25 2.655,20.675 2.5,20.52 C1.1@2.5,19 2.5,18.096 3,17.596 v1(3,17.5) ; v1(4.5,4) 4.605,3.895 4.994,3.895 DD2.36@5.808,3.081 ; v1@9.836,8.812 C3.1@11.263,8.812 ; C3.1@11.338,8.812 12.163,8.812 12.605,8.37 DD4.1@13.625,8.37
  Top Layer w0.3: v1@-8.75,41 R10.1@-6,41 ; C27.1@-8.7,42.675 C27.1@-8.7,42.75 ; v1(3,17.5) 4.5,17.5 6.8,15.2 X9.1@7,15.2 ; v1(32.4,57.1) 32.45,57.05 R13.1@32.45,55.7 32.45,53.075 XP4.3@33.325,52.2
  Top Layer w0.4: DD3.1@-13.625,-0.195 -13.568,-0.252 -11.856,-0.252 ; DD9.1@-7.5,-7 v1(-7.5,-5) ; R14.1@29.35,55.7 29.35,56.55 v1(30,57.2)
  Top Layer w0.5: DD5.1@-10.11,21.475 -10.155,21.43 -10.155,19.045 C15.1@-10.2,19 -10.144,18.944 -10.144,17.725 -9.75,17.331 v1(-9.75,17.25)
  Top Layer w1: v1@-8.75,41 -8.75,42.7 -8.75,42.725 -8.725,42.75 C27.1@-8.7,42.75 ; v1(-8.5,47.5) -8.25,47.25 DA1.2@-8.25,45.075 -8.3,45.025 C27.1@-8.3,43.125
  Bottom Layer w0.2: C9.1@-0.934,-2.316 -0.934,-1.821 -0.805,-1.691 -0.805,-1.679 C11.1@0.187,-0.687
  Bottom Layer w0.25: C11.1@0.187,-0.687 0.187,-0.563 v1(1.25,0.5) 1.25,0.649 1,0.899 1,3.052 1.75,3.802 1.75,4.273 ; 1.75,4.5 2.5,3.75 3.301,3.75 3.551,4 v1(4.5,4) 4.605,3.895 4.605,3.276 C10.1@5.316,2.566
  Bottom Layer w0.3: XP13.2@-36,53 -35.675,52.675 -34.575,52.675 -34.4,52.5 -31,52.5 -19.25,40.75 v1(-8.75,40.75) ; v1(-8.5,47.5) 28.625,47.5 XP4.3@33.325,52.2 ; C28.2@-3.066,5.434 -1.346,3.714 ; -1.589,12.911 v1(3,17.5) ; v1(-1,3.5) -0.089,3.5 0.911,4.5 1.5,4.5 ; 0.733,10.589 0.733,5.267 1.5,4.5 ; 1.75,4.273 1.75,4.5 1.5,4.5 ; v1@1.75,6.25 1.455,5.955 1.455,5.706 1.75,5.411 1.75,4.75 1.5,4.5 ; 1.75,6.71 1.371,7.089 1.371,7.549 2.119,8.297 C12.1@2.119,8.381 ; 7.911,10.589 v1(9.5,9) ; v1(30,57.2) 30.05,57.15 32.35,57.15 v1(32.4,57.1)
  Bottom Layer w0.4: C2.1@-13.5,-0.3 -11.808,-0.3 -11.608,-0.5 v1(-11.5,-0.5) -10.5,-0.5 -5.25,-5.75 ; v1(-8.75,40.75) -8.75,39 -16.308,31.442 -16.308,17.652 -14.426,15.77 -9.75,15.77 -5.611,15.77 -5.581,15.8 -4.919,15.8 -4.889,15.77 -4.448,15.77 -1.589,12.911 0.733,10.589 7.911,10.589 9.488,12.166 13.916,12.166 XP19.1@19,17.25 ; v1(-7.5,-5) -7.475,-5.025 -7.475,-6.975 C33.1@-7.45,-7 -5.484,-7 -5.25,-6.766 -5.25,-5.75 ; v1(9.5,9) 9.5,-4.5 8.25,-5.75 -5.25,-5.75
  Bottom Layer w0.5: -9.75,15.77 v1(-9.75,17.25)
"+5V PWM": C6.1 C7.1 C26.1 C34.1 DD3.10 DD3.16 DD4.10 DD4.16 DD8.4 DD9.10 DD9.16 DD10.5 L1.2 R4.1 X8.1 | length 163.2
  Top Layer w0.25: DD4.10@22.875,0.75 21.396,0.75 20.75,1.396 20.75,8.224 20.896,8.37 DD4.16@22.875,8.37 24.511,8.37 C7.1@25.01,8.869
  Top Layer w0.4: DD3.16@-22.875,-0.195 -21.925,-0.195 -20.5,1.23 -20.5,6.766 -21.102,7.368 -22.818,7.368 DD3.10@-22.875,7.425 ; C7.1@25.425,8.8 25.35,8.8 24.15,10 v1(23.75,10) 23.827,10.077 23.827,10.302 25.825,12.3 R4.1@25.9,12.3
  Top Layer w0.45: L1.2@4.226,-36.8 4.226,-32.92 4.491,-32.655 DD8.4@5.1,-32.655
  Top Layer w0.5: DD9.10@-15.12,-16.25 -15.12,-14.62 v1(-14.5,-14) ; -13,-21.37 -12.75,-21.12 -12.75,-19.314 -12.548,-19.112 -12.548,-19 ; v1(-10.5,-28) -10.5,-21.37 ; v1(-7.5,-14) DD9.16@-7.5,-16.25 -7.475,-16.275 -7.475,-18.725 C34.1@-7.45,-18.75 ; C26.1@0.7,-31.975 1.38,-32.655 DD8.4@4.491,-32.655
  Top Layer w0.7: C6.1@-25.145,-0.195 DD3.16@-22.875,-0.195 ; C34.1@-7.45,-18.75 -7.45,-21.05 -7.366,-21.134
  Top Layer w1: C6.1@-25.225,-0.425 -25.225,-0.45 -22.25,-3.425 -22.25,-14.75 -15.63,-21.37 -13,-21.37 -10.5,-21.37 -7.45,-21.37 -3.13,-21.37 ; C26.1@0.7,-31.975 0.152,-31.427 0.152,-29.902 -2,-27.75 -2,-22.5 -3.13,-21.37 ; v1(6.25,-16) 2.24,-16 -3.13,-21.37
  Bottom Layer w0.5: v1(-14.5,-14) v1(-7.5,-14) ; v1(-10.5,-28) DD10.5@-10.5,-26.8
  Bottom Layer w1: v1(6.25,-16) 11.25,-11 11.5,-11 22.75,0.25 22.75,9 v1(23.75,10)
+5V_ISOL: C5.1 C8.1 C16.1 DD1.16 DD5.8 DD7.4 R9.1 | length 48.3
  Top Layer w0.2: C16.1@-12.5,31 -12.432,31 -10.36,31 -10.11,30.75 DD5.8@-10.11,30.725 ; R9.1@10.35,39 10.35,40.35 v1(10.5,40.5)
  Top Layer w0.5: C16.1@-12.432,31 -12.232,31.2 -12.232,31.768 -8,36 2.65,36 ; DD1.16@2.655,30.55 2.652,30.553 2.652,32.998 C5.1@2.65,33 2.65,36 ; DD7.4@10.49,46.25 10.43,46.19 9.175,46.19 8.46,45.475 C8.1@6.5,45.475 6.25,45.475 2.65,41.875 2.65,36
  Bottom Layer w0.2: DD7.4@10.49,46.25 10.495,46.245 10.495,40.505 v1(10.5,40.5)
+5В: C20.1 C25.1 DA1.3 DD7.2 XP2.9 XP2.10 XP2.11 XP2.12 | length 41.7
  Top Layer w0.5: DA1.3@-5.95,45.075 -5.75,45.275 -5.75,46.675 -3.925,48.5 -3.7,48.5 C25.1@-3.5,48.7 4.95,48.7 11.392,55.142 11.392,56.187 XP2.12@11.43,56.225 XP2.11@11.43,58.765 XP2.9@13.97,58.765 XP2.10@13.97,56.225
  Top Layer w0.6: XP2.10@13.97,56.225 13.97,51.205 15,50.175 15,50.1 14.95,50.05 14.95,48.603 15.57,47.983 DD7.2@15.57,46.25
+12V_PWM: C31.1 C32.1 DD6.4 L2.2 R3.1 XP16.2 XP17.2 XP18.2 | length 92.5
  Top Layer w0.25: v1(18,-26.5) R3.1@19.35,-26.5
  Top Layer w0.5: DD6.4@-12.555,-32.9 -12.455,-32.8 -10,-32.8 C31.1@-9.9,-32.7 -8.625,-32.7 -7.95,-32.025 -7.95,-32 -7.7,-31.75 L2.2@-7.2,-31.75 -7.2,-29.45 -5.45,-27.7 -5.45,-27.2 C32.1@-5,-26.75
  Bottom Layer w1: C32.1@-5,-26.75 0.666,-26.75 0.786,-26.63 1.714,-26.63 1.834,-26.75 16.75,-26.75 ; v1(18,-26.5) 18,-26.75 16.75,-26.75 ; XP18.2@23.5,-57.75 23.5,-42.319 XP16.2@31.569,-34.25 ; XP17.2@36.508,-26.75 36.557,-26.701 37.299,-26.701 XP17.2@37.5,-26.5 31.77,-32.23 31.77,-34.049 XP16.2@31.569,-34.25 ; 16.75,-26.75 24.25,-34.25 XP16.2@31.569,-34.25
+12В: XP2.17 XP2.18 XP2.19 XP2.20 XP2.21 XP2.22 XP2.23 XP2.24